# Altium PCB PCB_EPS_2.PcbDoc (part 2 of 3) (continued)
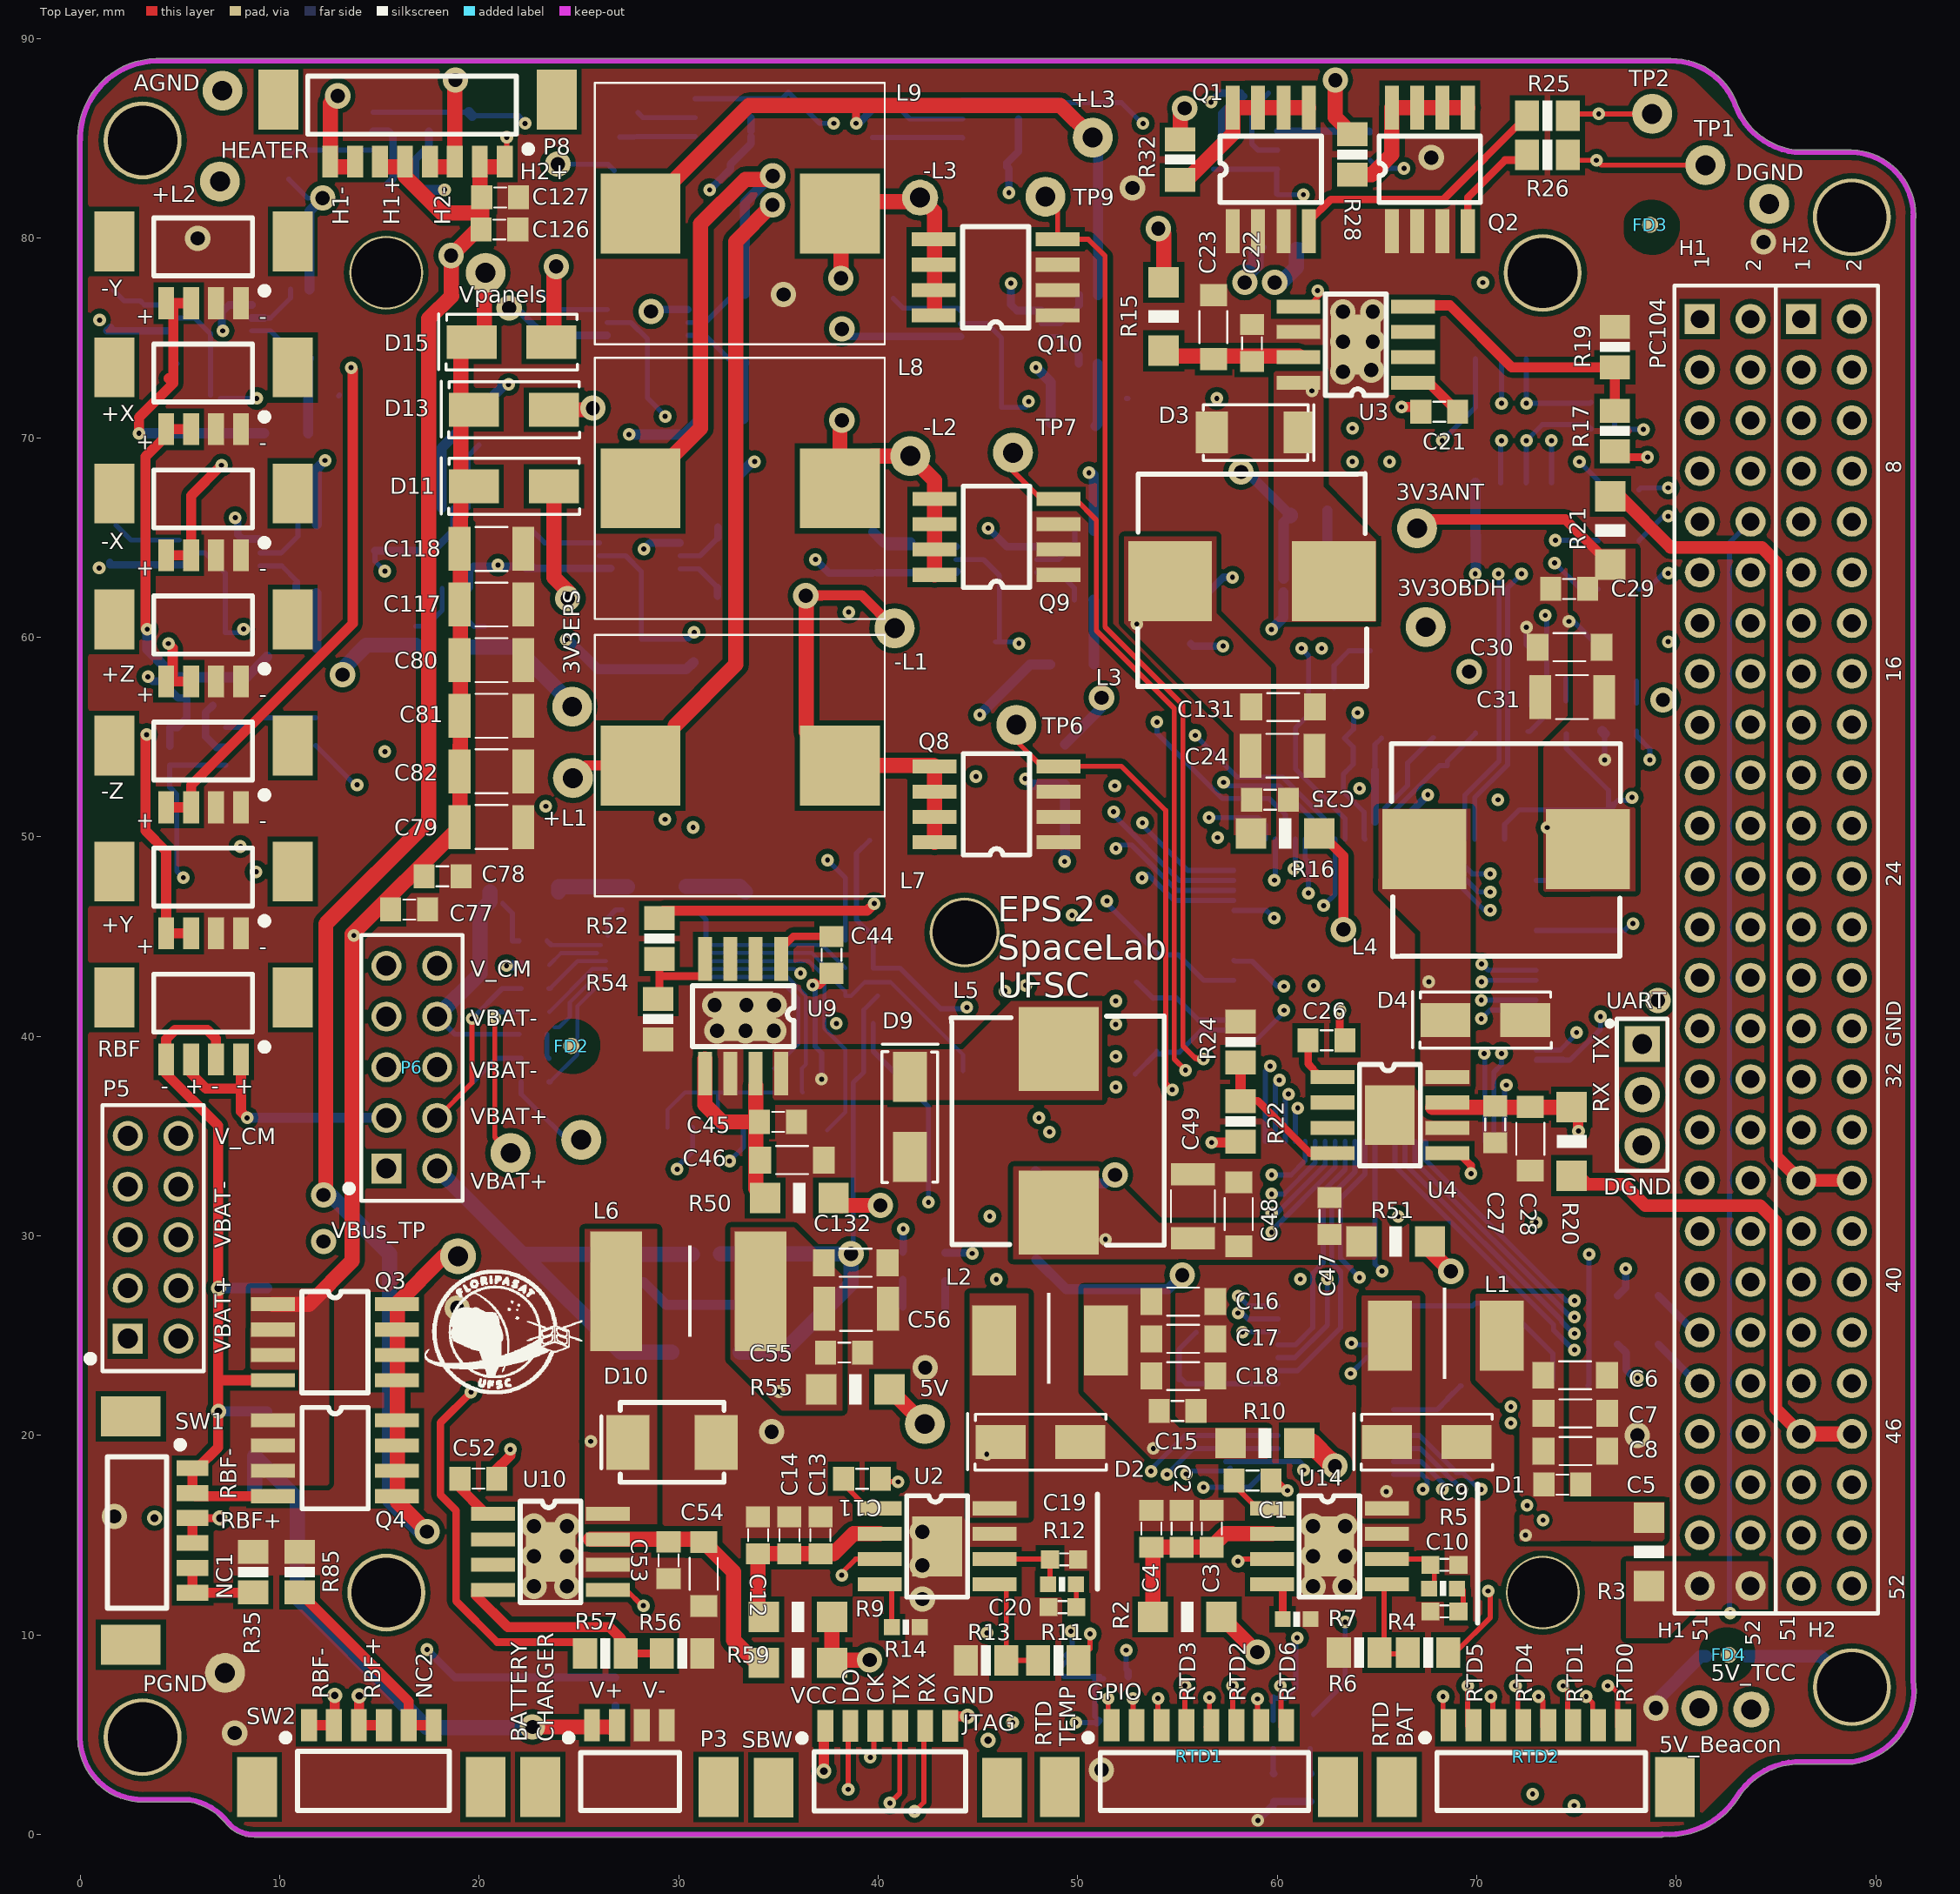
[diagram p0: Top Layer view]
## Nets (pads, with @x,y where several pads share a name; then routed paths per layer and width w, separated by ;. In a path a pad name is that pad's centre, name@x,y a point inside that pad or via, vN(x,y) a via of type N, cw(c..) or ccw(c..) an arc to the next point about the centre after c; other vN are vias at no path point) (continued)
  Bottom Layer w0.508: C107.2@39.745,65.278 40.27,64.753 C110.1@41.625,64.753 ; C62.1@62.451,64.506 C62.1@62.506,64.451 ; C64.2@62.506,66.356 C62.1@62.506,64.451 ; U13.4@62.841,62.266 62.841,64.116 C62.1@62.506,64.451
  other v1: 61.15,27.836
BAT_GPIO1: RTD1.1 U12.39 | length 59.5
  Top Layer w0.254: RTD1.1@51.516,5.485 v1(51.516,6.825)
  Signal Layer 1 w0.254: v1(48.05,35.916) 47.86,35.726 47.86,10.425 51.459,6.825 v1(51.516,6.825)
  Signal Layer 2 w0.254: v1(48.05,35.916) 48.134,35.832 51.152,35.832 55.952,40.632 69.002,40.632 v1@70.186,41.816
  Signal Layer 2 w0.381: v1@70.186,41.816 v1(70.226,41.816)
  Bottom Layer w0.254: v1(70.226,41.816) U12.39@72.971,41.816
BAT_GPIO2: RTD1.2 U12.40 | length 59
  Top Layer w0.254: RTD1.2@52.766,5.485 v1(52.766,6.825)
  Signal Layer 1 w0.254: v1(48.58,35.21) 48.292,34.922 48.292,10.603 51.425,7.47 52.121,7.47 v1(52.766,6.825)
  Signal Layer 2 w0.254: v1(48.58,35.21) 48.75,35.38 51.311,35.38 56.131,40.2 56.52,40.2 69.54,40.2 v1(70.226,40.886)
  Bottom Layer w0.254: v1(70.226,40.886) 70.656,41.316 U12.40@72.971,41.316
DGND: 3V3_MCU.2 C32.2 C33.2 C57.2 C58.2 C60.2 C65.2 C67.2 C68.2 C69.2 C70.2 C122.2 C123.2 C124.2 C125.2 C133.2 FB3.1 P11.1 pad.4@84.656,81.726 PC104.H1-29 PC104.H1-30 PC104.H1-31 PC104.H1-32 PC104.H2-29 PC104.H2-30 PC104.H2-31 PC104.H2-32 SBW.6 SYSTEM_ON.2 U5.2 U5.3 U12.26 U12.63 U12.90 U28.4 UART.3 Y1.2 Y1.4 | length 1.3
  Top Layer w0.508: SBW.6@43.6,5.45 43.6,5.92 v4(44.47,5.92)
  other v1: 72.966,30.676 66.056,30.976 51.9,37.46 51.9,38.998 51.9,40.606 51.9,41.776 61.82,42.54
En_3V3_OBDH: U3.5 U12.36 | length 52.1
  Top Layer w0.254: U3.5@61.056,76.636 61.596,76.636 v1@62.176,77.216
  Signal Layer 1 w0.254: v1(70.236,43.626) 74.786,48.177 74.786,54.734 76.635,56.583 76.635,71.457 v1(70.306,77.786)
  Signal Layer 2 w0.254: v1(62.016,77.376) 69.896,77.376 v1(70.306,77.786)
  Bottom Layer w0.254: v1@70.226,43.666 70.576,43.316 U12.36@72.971,43.316
En_5V_Radio_Beacon: PC104.H1-10 U14.3 | length 84.3
  Top Layer w0.254: v1(58.026,13.696) 58.136,13.806 U14.3@59.736,13.806
  Signal Layer 2 w0.254: v1(58.026,13.696) 58.4,13.696 62.97,9.126 80.726,9.126 v1(82.7,11.1)
  Bottom Layer w0.254: v1@82.661,11.1 82.661,64.741 PC104.H1-10@83.716,65.796
En_5V_Radio_Main: PC104.H1-12 U2.3 | length 97.9
  Top Layer w0.254: v1@38.076,13.016 38.866,13.806 U2.3@40.076,13.806
  Signal Layer 1 w0.254: v1(38.166,12.996) 39.57,14.4 39.57,29.539 38.518,30.591 v1(38.518,61.264)
  Signal Layer 2 w0.254: v1(38.518,61.264) 38.388,61.264 39.231,62.107 82.567,62.107 PC104.H1-12@83.716,63.256
EN_PAYLOAD: U10.5 U12.37 | length 81.3
  Top Layer w0.254: U10.5@26.976,12.256 27.376,12.256 28.166,11.466 v1(28.226,11.466)
  Signal Layer 1 w0.254: v1(70.236,42.736) 74.16,38.812 74.16,16.6 v1(73.318,15.758)
  Signal Layer 2 w0.254: v1(28.226,11.466) 28.226,12.416 32.006,16.196 42.429,16.196 42.705,16.472 64.468,16.472 65.182,15.758 v1(73.318,15.758)
  Bottom Layer w0.254: v1@70.236,42.816 U12.37@72.971,42.816
ESD: pad.1 R_ESD.2 | length 5.9
  Bottom Layer w0.635: R_ESD.2@83.506,8.93 87.249,8.93 pad.1@88.8,7.379
HEATER1_PWM: R25.2 TP2.1 U12.45 | length 57.2
  Top Layer w0.254: R25.2@74.416,85.896 74.756,86.236 v1(76.106,86.236) TP2.1@78.786,86.236
  Signal Layer 1 w0.254: v1(76.106,86.236) 77.499,84.843 77.499,56.226 75.65,54.377 75.65,41.538 v1(76.196,40.992)
  Bottom Layer w0.254: 74.332,38.861 73.016,38.861 U12.45@72.971,38.816 74.666,38.816 76.196,40.346 v1(76.196,40.992)
HEATER2_PWM: R26.2 TP1.1 U12.44 | length 54.6
  Top Layer w0.254: R26.2@74.552,84.186 74.832,83.906 v1(75.996,83.906) 76.236,83.666 TP1.1@81.456,83.666
  Signal Layer 1 w0.254: v1(74.996,40.196) 75.218,40.418 75.218,54.556 77.067,56.405 77.067,82.835 76.736,83.166 v1(75.996,83.906)
  Bottom Layer w0.254: U12.44@72.971,39.316 74.176,39.316 74.846,39.986 74.816,40.016 v1(74.996,40.196)
I2C_EN: U12.72 U28.1 | length 43.1
  Signal Layer 1 w0.254: v1(61.02,36.41) 66.038,41.428 66.038,61.484 68.42,63.866 68.42,69.7 v1(68.26,69.86)
  Bottom Layer w0.254: U12.72@60.896,34.741 60.896,36.286 v1(61.02,36.41) ; v1(68.26,69.86) 69.927,71.527 U28.1@69.927,73.955
I2C_READY: U12.75 U28.5 | length 50.8
  Signal Layer 1 w0.254: v1(59.64,38.51) 61.288,38.51 64.742,41.964 64.742,67.888 v1@63.76,68.87
  Signal Layer 2 w0.254: v1(63.76,68.806) 65.436,70.482 68.518,70.482 68.522,70.478 70.974,70.478 70.978,70.482 73.115,70.482 v1(73.737,69.86)
  Bottom Layer w0.254: U12.75@59.396,34.741 59.396,38.266 v1(59.64,38.51) ; U28.5@73.737,67.75 v1(73.737,69.86)
I2C_SCL: R66.2 U12.74 U28.3 | length 54
  Signal Layer 1 w0.254: v1(60.1,37.81) 61.199,37.81 65.174,41.785 65.174,68.372 63.76,69.786 v1(63.76,70.476) v1@63.69,70.476
  Signal Layer 2 w0.254: v1@63.69,70.476 v1(63.76,70.476) 64.198,70.914 71.668,70.914 v1(72.484,71.73)
  Bottom Layer w0.254: U12.74@59.896,34.741 59.896,37.606 v1(60.1,37.81) ; U28.3@72.467,73.955 72.484,73.938 v1(72.484,71.73) 75.677,71.73 R66.2@75.721,71.774
I2C_SCL_BUF: PC104.H2-51 R88.2 U28.2 | length 87.5
  Signal Layer 1 w0.254: v1(71.236,71.73) 71.236,71.516 68.852,69.132 68.852,59.692 66.469,57.31 66.469,41.431 67.268,40.632 67.268,24.191 70.849,20.61 ; v1(71.702,20.62) 70.859,20.62 70.849,20.61 ; v1(72.52,16.49) 72.52,18.899 72.54,18.919 70.849,20.61
  Signal Layer 2 w0.254: v1@71.64,20.62 v1(71.702,20.62) 71.866,20.62 72.254,21.008 75.112,21.008 76.974,22.87 v1@77.911,22.87 ; v1(72.52,16.49) 75.56,16.49 78.29,13.76 84.952,13.76 PC104.H2-51@86.256,12.456
  Bottom Layer w0.254: U28.2@71.197,73.955 71.236,73.916 v1(71.236,71.73)
  Bottom Layer w0.381: R88.2@77.06,24.568 77.48,24.148 77.48,23.301 v1@77.911,22.87
  other v1: 78.046,22.87
I2C_SDA: R65.2 U12.73 U28.6 | length 49.6
  Signal Layer 1 w0.254: v1(60.56,37.11) 61.109,37.11 65.606,41.607 v1@65.606,68.784
  Signal Layer 2 w0.254: v1(65.622,68.806) 66.036,69.22 71.844,69.22 v1(72.484,69.86)
  Bottom Layer w0.254: U12.73@60.396,34.741 60.396,36.946 v1(60.56,37.11) ; U28.6@72.467,67.75 72.484,67.767 v1(72.484,69.86) 73.284,70.66 75.511,70.66 R65.2@75.721,70.45
I2C_SDA_BUF: PC104.H2-49 R87.2 U28.7 | length 84.2
  Signal Layer 1 w0.254: v1(71.236,69.86) 69.29,67.914 69.29,59.52 66.901,57.131 66.901,41.609 67.7,40.811 67.7,24.37 70.63,21.44 v1(71.702,21.44)
  Signal Layer 2 w0.254: v1(71.702,21.44) 74.933,21.44 77.403,23.91 ; v1(77.46,28.358) 77.46,23.967 77.403,23.91 ; PC104.H2-49@86.256,14.996 84.92,16.332 84.92,23.13 84.14,23.91 77.403,23.91
  Bottom Layer w0.254: U28.7@71.197,67.75 71.197,69.821 v1(71.236,69.86)
  Bottom Layer w0.381: R87.2@77.06,27.008 77.46,27.408 v1(77.46,28.358)
MPPT_PWM_1: Q8.2 TP6.1 U12.51 | length 45
  Top Layer w0.254: TP6.1@46.836,55.616 46.836,54.876 48.176,53.536 Q8.2@49.026,53.536 52.186,53.536 54.4,51.322 54.4,37.662 54.416,37.646 v1(54.736,37.326)
  Signal Layer 2 w0.254: v1(54.736,37.326) 56.462,35.6 61.09,35.6 62.423,36.933 70.853,36.933 v1(71.476,37.556)
  Bottom Layer w0.254: U12.51@71.396,34.741 71.396,37.476 v1(71.476,37.556)
MPPT_PWM_2: Q9.2 TP7.1 U12.52 | length 57.1
  Top Layer w0.254: TP7.1@46.746,69.256 46.746,68.342 48.146,66.942 Q9.2@49.026,66.942 ; Q9.2@49.055,67.095 49.868,66.942 50.93,65.88 50.93,60.341 54.832,56.44 54.832,38.87 v1(55.396,38.306)
  Signal Layer 2 w0.254: v1(55.396,38.306) 55.396,38.836 56.328,39.768 60.072,39.768 60.073,39.767 60.589,39.767 60.59,39.768 70.624,39.768 71.236,39.156 v1(71.236,39.146)
  Bottom Layer w0.254: U12.52@70.896,34.741 70.854,34.783 70.854,38.215 71.236,38.597 v1(71.236,39.146)
MPPT_PWM_3: Q10.2 TP9.1 U12.53 | length 66.6
  Top Layer w0.254: TP9.1@48.376,82.086 48.986,81.476 Q10.2@48.986,79.946 50.526,79.946 51.362,79.11 51.362,60.52 55.264,56.618 55.264,39.518 55.876,38.906 55.916,38.946 56.002,38.86 v1(56.3,38.86)
  Signal Layer 2 w0.254: v1(56.3,38.86) 56.572,39.132 v1@70.18,39.132 ; v1@70.366,38.946 v1@70.18,39.132 ; v1(70.366,39.146) 70.353,39.132 v1@70.18,39.132
  Bottom Layer w0.254: v1@70.366,39.186 70.396,39.156 U12.53@70.396,34.741
NC_KILL_SWITCH1: R35.1 SW1.5 SW1.6 | length 4.3
  Top Layer w0.508: SW1.5@5.63,13.36 SW1.6@5.63,12.11 8.642,12.11 R35.1@8.67,12.138
NC_KILL_SWITCH2: R85.1 SW2.5 SW2.6 | length 10.2
  Top Layer w0.508: R85.1@10.99,12.138 16.466,6.662 SW2.5@16.466,5.475 SW2.6@17.716,5.475
Net3V3_ANT_1: 3V3_ANT.1 R23.2 | length 1.3
  Bottom Layer w0.254: R23.2@76.286,56.695 76.286,57.764 3V3_ANT.1@76.449,57.928
Net3V3_EPS_1: 3V3_EPS.1 R53.1 | length 1.4
  Bottom Layer w0.381: 3V3_EPS.1@43.354,26.4 R53.1@43.354,27.753
Net3V3_MCU_1: 3V3_MCU.1 R61.1 | length 1.1
  Bottom Layer w0.254: R61.1@74.463,56.825 3V3_MCU.1@74.463,57.928
Net3V3_OBDH_1: 3V3_OBDH.1 R18.2 | length 1.4
  Bottom Layer w0.254: R18.2@72.716,56.575 3V3_OBDH.1@72.716,57.998
Net3V3ANT_1: 3V3ANT.1 C29.1 C30.1 C31.1 L4.2 R21.2 R22.2 R23.1 | length 44.7
  Top Layer w0.508: v1(56.704,34.68) 57.934,34.68 R22.2@58.13,34.876 ; 3V3ANT.1@67.536,65.736 67.71,65.91 74.428,65.91 R21.2@76.119,64.219
  Signal Layer 1 w0.508: v1(56.704,34.68) 57.236,35.212 57.236,49.736 v1(57.006,49.966)
  Signal Layer 2 w0.508: v1@56.976,49.986 73.046,49.986 v1(73.526,50.466)
  Bottom Layer w0.254: v1(76.406,53.86) R23.1@76.406,55.178
  Bottom Layer w0.508: R23.1@76.286,55.298 R23.1@76.406,55.178
Net3V3OBDH_1: 3V3OBDH.1 C24.1 C25.1 C131.1 L3.2 R16.2 R17.2 R18.1 | length 48.2
  Top Layer w0.381: L3.2@53.31,64.132 L3.2@54.626,62.816 ; R17.2@76.916,69.326 77.212,69.03 v1(78.56,69.03)
  Signal Layer 1 w0.381: v1(78.56,69.03) 77.994,68.464 77.994,61.416 79.49,59.92 v1@79.49,59.69
  Signal Layer 2 w0.381: v1(52.956,60.666) 53.006,60.666 53.951,61.612 73.426,61.612 73.436,61.612 ; v1(73.426,61.106) 73.426,61.602 73.436,61.612 ; v1(79.593,59.78) 77.762,61.612 73.436,61.612
  Bottom Layer w0.254: R18.1@72.566,55.286 72.659,55.286 73.497,56.125 v1@73.497,60.925
Net5_V_1: 5_V.1 R58.2 | length 1.4
  Bottom Layer w0.381: 5_V.1@41.226,26.452 R58.2@41.226,27.805
Net5V_BEACON_LED_1: 5V_BEACON_LED.1 R1.2 | length 1.3
  Bottom Layer w0.254: 5V_BEACON_LED.1@61.648,3.071 R1.2@61.648,4.309
  Bottom Layer w0.381: 5V_BEACON_LED.1@61.648,3.071 5V_BEACON_LED.1@61.671,3.049
Net5V_MAIN_RADIO_LED_1: 5V_MAIN_RADIO_LED.1 R8.2 | length 1.3
  Bottom Layer w0.254: 5V_MAIN_RADIO_LED.1@59.796,3.071 R8.2@59.796,4.309 R8.2@59.818,4.287
  Bottom Layer w0.381: 5V_MAIN_RADIO_LED.1@59.796,3.071 5V_MAIN_RADIO_LED.1@59.818,3.049
Net+L1_1: +L1.1 +X_CSR.2 -Y_CSR.2 L7.1 R69.2 | length 80.5
  Top Layer w0.508: +L1.1@24.696,52.946 25.326,53.576 L7.1@28.076,53.576 29.816,55.316 29.816,55.596
  Top Layer w0.762: 29.816,55.596 32.856,58.636 32.856,79.836 v2(34.696,81.676)
  Signal Layer 1 w0.508: v2(12.146,82.016) 12.146,68.986 v1(12.266,68.866)
  Signal Layer 2 w0.508: v2(12.146,82.016) 12.485,81.676 v2(34.696,81.676)
  Bottom Layer w0.254: R69.2@10.446,82.958 11.388,82.016 v2(12.146,82.016)
  Bottom Layer w0.508: -Y_CSR.2@11.486,77.441 11.486,81.356 v2(12.146,82.016) ; +X_CSR.2@11.858,65.661 11.858,68.458 v1@12.156,68.756
Net+L2_1: +L2.1 +Z_CSR.2 -X_CSR.2 L8.1 R74.2 | length 75.5
  Top Layer w0.762: L8.1@28.076,67.466 31.096,70.486 31.096,80.716 33.336,82.956 34.536,82.956 v2(34.706,83.126)
  Signal Layer 1 w0.508: v1(33.796,68.806) 33.629,68.973 33.629,82.118 34.637,83.126 v2(34.706,83.126)
  Signal Layer 2 w0.381: +L2.1@6.999,82.85 7.865,83.716 v2(23.936,83.716) ; v2@24.152,83.716 24.332,83.536 33.598,83.536 v2@34.132,83.002
  Signal Layer 2 w0.508: v2(23.936,83.716) v2@24.152,83.716
  Bottom Layer w0.254: v2(23.936,83.716) 26.447,83.716 R74.2@26.766,83.398
  Bottom Layer w0.508: +Z_CSR.2@32.916,65.521 32.916,68.036 v1@33.726,68.846 ; -X_CSR.2@33.306,77.211 33.306,81.795 v2@34.706,83.195 ; v2(34.706,83.126) v2@34.706,83.195 ; v2@34.706,83.516 v2@34.706,83.195 ; v2@34.797,83.286 v2@34.706,83.195
Net+L3_1: +L3.1 +Y_CSR.2 -Z_CSR.2 L9.1 R81.2 | length 55.8
  Top Layer w0.381: v1(38.886,85.766) 38.886,86.656 38.896,86.666
  Top Layer w0.762: L9.1@28.076,81.236 33.506,86.666 38.896,86.666 49.126,86.666 +L3.1@50.746,85.046 ; +L3.1@50.796,84.736 +L3.1@51.196,85.136
  Signal Layer 1 w0.508: v1(50.556,68.246) 50.556,84.986 +L3.1@50.566,84.996
  Bottom Layer w0.381: v1@39.02,85.766 R81.2@39.707,86.453
  Bottom Layer w0.508: v1@50.666,68.266 50.797,68.135 +Y_CSR.2@50.797,65.328 ; +L3.1@50.746,85.046 51.017,84.775 -Z_CSR.2@51.017,77.158
Net+X_CSR_1: +X_CSR.1 C74.2 D18.1 | length 2.7
  Bottom Layer w0.508: D18.1@11.833,59.479 +X_CSR.1@11.833,62.211
Net+Y_CSR_1: +Y_CSR.1 C97.2 D22.1 | length 3.2
  Bottom Layer w0.508: +Y_CSR.1@50.772,61.878 50.806,61.844 D22.1@50.806,58.646
Net+Z_CSR_1: +Z_CSR.1 C88.2 D20.1 | length 3
  Bottom Layer w0.508: +Z_CSR.1@32.891,62.071 32.936,62.026 D20.1@32.936,59.056
Net-L1_1: -L1.1 D11.2 L7.2 Q8.3 | length 41.9
  Top Layer w0.508: v2(36.366,62.086) 36.385,62.105 37.165,62.105 ; v2@36.396,62.086 37.145,62.086 37.165,62.105 ; -L1.1@40.816,60.456 39.167,62.105 37.165,62.105 ; Q8.3@42.781,53.576 Q8.3@42.821,53.536
  Top Layer w0.762: D11.2@24.036,67.266 D11.2@23.736,67.566 23.736,62.996 v2@24.526,62.206 ; v2@36.396,62.086 36.396,55.256 L7.2@38.076,53.576 Q8.3@42.781,53.576 ; -L1.1@40.816,60.456 -L1.1@40.816,60.515 ; Q8.3@42.821,49.726 Q8.3@42.821,50.996 Q8.3@42.821,52.266 Q8.3@42.821,53.536
  Signal Layer 2 w0.762: v2(24.436,61.946) 36.226,61.946 v2(36.366,62.086)
Net-L2_1: -L2.1 D13.2 L8.2 Q9.3 | length 29.7
  Top Layer w0.762: D13.2@24.126,71.796 D13.2@23.736,71.406 25.316,71.406 v2@25.396,71.486 ; v2@38.076,71.076 L8.2@38.076,67.466 39.696,69.086 -L2.1@41.606,69.086 42.821,67.871 Q9.3@42.821,66.942 Q9.3@42.821,65.672 Q9.3@42.821,64.402 Q9.3@42.821,63.132
  Signal Layer 2 w0.762: v2(25.696,71.486) 26.53,71.486 27.12,72.076 36.976,72.076 v2(38.176,70.876)
Net-L3_1: -L3.1 D15.2 L9.2 Q10.3 | length 30.9
  Top Layer w0.254: L9.2@38.076,81.236 L9.2@38.686,81.846
  Top Layer w0.762: D15.2@23.736,75.246 23.736,78.156 v2@23.886,78.306 ; L9.2@38.076,81.236 38.296,81.016 38.126,80.846 v2(38.126,77.996) ; L9.2@38.686,81.846 -L3.1@41.886,81.846 ; -L3.1@42.096,82.036 42.821,81.311 42.821,76.538
  Signal Layer 2 w0.762: v2(23.856,78.586) 37.536,78.586 v2(38.126,77.996)
Net-X_CSR_1: -X_CSR.1 C76.2 D19.1 | length 2.8
  Bottom Layer w0.508: D19.1@33.236,70.946 33.236,73.716 -X_CSR.1@33.281,73.761
Net-Y_CSR_1: -Y_CSR.1 C72.2 D17.1 | length 3.8
  Bottom Layer w0.508: D17.1@11.426,70.226 11.426,73.956 -Y_CSR.1@11.461,73.991
Net-Z_CSR_1: -Z_CSR.1 C93.2 D21.1 | length 3.2
  Bottom Layer w0.508: D21.1@50.886,70.586 50.992,70.692 -Z_CSR.1@50.992,73.708
NetC1_1: C1.1 U14.1 | length 2.6
  Top Layer w0.254: C1.1@57.991,17.836 57.991,17.351 58.996,16.346 U14.1@59.736,16.346
NetC1_2: C1.2 D1.1 L1.1 U14.8 | length 5.9
  Top Layer w0.254: C1.2@59.906,17.836 v1@60.486,17.256
  Top Layer w0.508: C1.2@59.841,17.836 C1.2@59.906,17.836
  Signal Layer 2 w0.254: v1(60.506,17.236) v1@65.416,17.236
  Signal Layer 2 w0.508: v1@65.416,17.236 v1(65.466,17.186)
NetC2_1: C2.1 C3.1 C4.1 R2.1 U14.2 | length 9.9
  Top Layer w0.762: R2.1@53.761,10.906 53.761,14.326 C4.1@53.686,14.401 C2.1@55.201,14.401 C3.1@56.716,14.401 57.391,15.076 U14.2@59.736,15.076
NetC5_1: C5.1 C6.1 C7.1 C8.1 L1.2 R1.1 R3.2 R4.2 | length 20.9
  Top Layer w0.254: R4.2@69.002,8.726 69.002,9.202 70.676,10.876 70.676,12.096 v1(70.566,12.206)
  Signal Layer 1 w0.254: v1(70.566,12.206) 70.566,13.146 72.42,15 v1(72.439,15)
  Signal Layer 2 w0.254: v1(63.396,10.65) 69.01,10.65 v1(70.566,12.206)
  Bottom Layer w0.254: R1.1@61.806,6.024 63.396,7.614 v1(63.396,10.65)
NetC9_1: C9.1 R5.2 U14.6 | length 3.7
  Top Layer w0.254: U14.6@65.486,13.806 C9.1@67.953,13.806 ; R5.2@67.866,12.314 67.866,13.424 C9.1@67.963,13.521
NetC10_1: C10.1 R5.1 | length 1.1
  Top Layer w0.254: R5.1@69.263,12.314 69.316,12.261 C10.1@69.316,11.206
NetC11_1: C11.1 U2.1 | length 2.6
  Top Layer w0.254: C11.1@38.261,17.826 38.261,17.551 39.466,16.346 U2.1@40.076,16.346
NetC11_2: C11.2 D2.1 L2.1 U2.8 | length 5.9
  Top Layer w0.254: C11.2@40.111,17.826 40.306,17.826 40.446,17.686 v1@40.986,17.686
  Signal Layer 2 w0.254: v1(40.996,17.676) 42.376,19.056 v1(45.436,19.056)
NetC12_1: C12.1 C13.1 C14.1 R9.1 U2.2 | length 9.8
  Top Layer w0.762: R9.1@34.251,10.906 33.976,11.182 C12.1@33.976,14.071 C14.1@35.546,14.071 C13.1@37.096,14.071 37.761,14.071 38.766,15.076 U2.2@40.076,15.076
NetC15_1: C15.1 C16.1 C17.1 C18.1 L2.2 R8.1 R10.2 R11.2 | length 27.9
  Top Layer w0.254: R11.2@50.042,8.726 50.616,9.301 v1(50.616,10.056)
  Signal Layer 1 w0.254: v1(50.616,10.056) 50.826,10.056 52.906,12.136 52.906,18.466 v1(53.786,19.346)
  Signal Layer 2 w0.254: v1(50.616,10.056) 50.64,10.08 60.772,10.08 v1(60.996,9.856)
  Bottom Layer w0.254: R8.1@59.796,5.706 59.796,6.906 59.815,6.906 59.888,6.833 60.404,6.833 60.926,7.355 60.926,9.816 60.966,9.856 v1(60.996,9.856)
NetC19_1: C19.1 R12.2 U2.6 | length 4.1
  Top Layer w0.254: U2.6@45.826,13.806 48.586,13.806 C19.1@48.606,13.786 48.606,12.638 R12.2@48.509,12.541
NetC20_1: C20.1 R12.1 | length 1.2
  Top Layer w0.254: R12.1@49.906,12.541 49.926,12.521 C20.1@49.926,11.396
NetC21_1: C21.1 U3.1 | length 2.9
  Top Layer w0.508: U3.1@66.806,72.826 67.521,72.826 C21.1@69.041,71.306
NetC21_2: C21.2 D3.1 L3.1 U3.8 | length 5.9
  Top Layer w0.508: v1(66.226,71.546) 66.951,71.546 C21.2@67.191,71.306
  Signal Layer 2 w0.508: v1(61.736,72.356) 62.237,71.855 65.917,71.855 v1(66.226,71.546) ; v1@66.261,71.581 v1@66.266,71.576
NetC22_1: C22.1 C23.1 R15.1 U3.7 | length 6.9
  Top Layer w0.762: R15.1@54.306,74.362 54.571,74.096 U3.7@61.056,74.096
NetC26_1: C26.1 U4.1 | length 2.7
  Top Layer w0.254: 61.786,38.376 62.351,37.956 U4.1@62.767,37.956
  Top Layer w0.381: C26.1@61.541,39.806 61.541,38.621 61.786,38.376
NetC26_2: C26.2 D4.1 L4.1 U4.8 | length 6.8
  Top Layer w0.381: v1(63.13,41.31) 63.13,40.067 C26.2@63.391,39.806
  Signal Layer 2 w0.381: v1@63.21,41.2 63.13,41.28 v1(63.13,41.31) 63.424,41.31 64.85,42.736 v1(67.59,42.736)
NetC27_1: C27.1 C28.1 R20.1 U4.5 U4.7 | length 16
  Top Layer w0.381: U4.5@69.016,34.226 69.706,33.536 v1(69.706,33.126)
  Top Layer w0.508: v1@75.076,35.436 R20.1@75.076,36.451
  Top Layer w0.762: U4.7@67.776,36.451 R20.1@74.756,36.451 R20.1@75.076,36.451
  Signal Layer 2 w0.381: v1(69.706,33.126) 71.836,35.256 v1(75.096,35.256)
NetC36_1: C36.1 U5.9 | length 3.9
  Bottom Layer w0.254: U5.9@65.836,21.296 68.016,21.296 68.528,21.808 68.528,21.838 69.166,22.476 C36.1@69.206,22.476
NetC37_2: C37.2 C38.1 | length 7.4
  Bottom Layer w0.508: C38.1@28.226,27.683 29.363,26.546 33.656,26.546 C37.2@34.746,27.636
NetC39_1: C39.1 U7.14 | length 9
  Bottom Layer w0.2: U7.14@31.246,42.576 35.307,42.576 35.988,41.895 35.988,39.618 C39.1@34.766,38.396
NetC40_1: C40.1 U7.6 | length 2.8
  Bottom Layer w0.2: C40.1@23.606,44.576 U7.6@26.096,44.576
  Bottom Layer w0.254: C40.1@23.396,44.786 C40.1@23.606,44.576
NetC41_1: C41.1 R33.2 U7.2 | length 5.3
  Bottom Layer w0.2: C41.1@23.756,40.456 24.006,40.456 24.536,40.986 24.536,41.709 25.803,42.976 U7.2@26.346,42.976
  Bottom Layer w0.254: C41.1@23.396,40.113 23.396,38.992 R33.2@23.493,38.894
NetC44_1: C44.1 U9.1 | length 3.3
  Top Layer w0.381: U9.1@35.126,43.886 35.126,44.396 35.741,45.011 C44.1@37.656,45.011
NetC44_2: C44.2 D9.1 L5.1 U9.8 | length 6.6
  Top Layer w0.381: v1@36.621,42.696 v1@36.695,42.622 ; v1(36.706,42.566) 36.706,42.611 v1@36.695,42.622 ; C44.2@37.656,43.161 37.061,42.566 37.01,42.616 36.96,42.566 36.799,42.726 v1@36.695,42.622
  Bottom Layer w0.254: v1@36.565,42.696 v1@36.695,42.566 ; v1(36.706,42.566) v1@36.695,42.566 ; v1(37.156,37.856) 37.156,39.174 36.834,39.496 36.834,42.427 v1@36.695,42.566
NetC45_2: C45.2 C46.1 R50.1 U9.5 U9.7 | length 11.2
  Top Layer w0.762: U9.5@31.316,38.866 31.316,36.576 32.176,35.716 C45.2@33.856,35.716 ; U9.7@33.856,37.546 C45.2@33.856,35.716 ; C45.2@34.047,35.716 C45.2@33.856,35.716 ; R50.1@34.331,31.896 33.856,32.372 C45.2@33.856,35.716
NetC47_2: C47.2 C48.1 C49.1 L5.2 R51.2 R52.2 R53.2 | length 38.6
  Top Layer w0.508: R52.2@29.232,46.306 39.446,46.306 v1(39.796,46.656)
  Top Layer w0.762: L5.2@49.046,31.146 L5.2@49.046,31.166
  Signal Layer 1 w0.508: v1@39.776,46.606 39.776,44.564 44.71,39.63 v1(44.71,29.12)
  Signal Layer 2 w0.508: v1(44.71,29.12) 46.64,29.12 47.346,29.826 v1(51.386,29.826)
  Bottom Layer w0.381: R53.2@43.354,29.15 44.68,29.15 v1(44.71,29.12)
NetC52_1: C52.1 U10.1 | length 2.7
  Top Layer w0.508: C52.1@18.901,17.826 18.901,17.511 20.346,16.066 U10.1@20.696,16.066
NetC52_2: C52.2 D10.1 L6.1 U10.8 | length 6
  Top Layer w0.508: C52.2@20.751,17.826 20.751,18.191 21.556,18.996 v1(21.556,19.306)
  Signal Layer 2 w0.508: v1(21.556,19.306) 21.956,19.706 v1(25.586,19.706)
NetC53_1: C53.1 C54.1 R56.1 U10.7 | length 12.8
  Top Layer w0.254: C54.1@30.911,14.796 C54.1@31.056,14.651
  Top Layer w0.762: U10.7@25.576,14.796 C54.1@30.911,14.796 ; C54.1@31.246,14.656 32.736,13.166 32.736,9.746 R56.1@33.946,8.536
NetC55_1: C55.1 C56.1 C132.1 L6.2 R55.2 R57.2 R58.1 | length 46.8
  Top Layer w0.381: v1(19.586,22.173) 18.05,20.637 18.05,17.02 18.84,16.23 18.84,11.7 20.897,9.643 24.733,9.643 R57.2@25.3,9.076
  Signal Layer 2 w0.381: v1(19.586,22.173) v1@35.02,22.173 ; v1(35.02,22.2) 35.87,22.2 41.25,27.58 v1(41.25,30.35)
  Bottom Layer w0.381: R58.1@41.226,29.202 41.25,29.226 v1(41.25,30.35)
NetC65_1: C65.1 U12.27 | length 2.4
  Bottom Layer w0.254: U12.27@72.971,47.816 75.146,47.816 C65.1@75.306,47.656
NetC66_1: C66.1 U13.5 | length 3.2
  Bottom Layer w0.254: U13.5@62.841,57.466 62.841,58.581 63.586,59.326 C66.1@64.646,59.326
NetC83_2: C83.2 R69.1 R71.2 U17.1 | length 4.6
  Bottom Layer w0.254: R69.1@10.562,84.236 10.451,84.231 10.366,84.228 10.554,84.416 U17.1@14.676,84.416
NetC86_2: C86.2 R70.1 R73.2 U19.1 | length 4.7
  Bottom Layer w0.254: U19.1@7.285,55.492 8.452,55.492 8.928,55.968 R73.2@10.48,55.968 R70.1@11.805,55.968
NetC90_2: C90.2 R74.1 R76.2 U21.1 | length 3.8
  Bottom Layer w0.254: R74.1@27.036,85.076 27.761,85.076 27.882,85.097 U21.1@30.816,85.097
NetC98_2: C98.2 R81.1 R82.2 U24.1 | length 4.5
  Bottom Layer w0.254: R81.1@39.707,85.056 R82.2@41.102,85.056 44.201,85.056 U24.1@44.227,85.03
NetC120_2: C120.2 R45.1 R86.2 U26.1 | length 4.7
  Bottom Layer w0.254: R45.1@64.601,85.356 R45.1@64.666,85.291
  Bottom Layer w0.381: U26.1@60.016,85.366 64.591,85.366 R45.1@64.601,85.356
NetC128_2: C128.2 R51.1 Rsense3.1 | length 93.6
  Top Layer w0.254: R51.1@67.65,29.277 R51.1@67.65,29.726
  Top Layer w0.762: R51.1@67.65,29.277 v2(68.697,28.23)
  Signal Layer 1 w0.762: v2(68.697,28.23) 68.697,28.451 68.486,28.662 68.486,57.156 v2(69.61,58.28)
  Signal Layer 2 w0.762: v2@13.133,58.34 13.29,58.496 69.394,58.496 v2(69.61,58.28)
  Bottom Layer w0.762: v2(13.146,58.126) 13.146,58.406 14.351,59.611 Rsense3.1@16.811,59.611
NetCC_1: CC.1 R39.2 U6.4 | length 14.9
  Signal Layer 2 w0.254: CC.1@25.106,34.816 CC.1@25.294,34.628 ; CC.1@25.244,33.968 25.792,34.516 31.78,34.516 v1(32.543,33.753)
  Bottom Layer w0.254: R39.2@22.096,37.726 22.096,37.116 CC.1@25.056,34.156 ; v1(32.543,33.753) 33.236,34.446 U6.4@33.236,35.426
NetD6_1: D6.1 R42.1 U7.11 | length 14.9
  Bottom Layer w0.2: U7.11@31.246,43.776 36.526,43.776 37.301,43.001 37.301,40.893 37.301,40.4 38.346,39.354 38.346,38.368 38.344,38.365 38.344,36.204 D6.1@37.426,35.286
NetD8_1: D8.1 R37.1 U7.10 | length 16.8
  Bottom Layer w0.2: U7.10@31.246,44.176 31.249,44.179 36.657,44.179 37.831,43.006 37.831,42.748 37.844,42.748 38.346,42.246 38.346,42.036 38.626,42.036 39.304,42.714 40.618,42.714 44.246,39.086 D8.1@44.246,38.266
NetDC_1: DC.1 R40.2 U6.2 | length 20.1
  Top Layer w0.254: v1(20.776,40.936) 20.776,34.946 DC.1@21.566,34.156
  Signal Layer 2 w0.254: DC.1@21.566,34.156 21.566,33.946 22.666,32.846 29.416,32.846 v1(29.916,33.346)
  Bottom Layer w0.254: v1@20.786,40.996 21.021,41.231 R40.2@22.096,41.231 ; v1(29.916,33.346) 29.916,33.456 30.696,34.236 U6.2@30.696,35.426
NetQ1_2: Q1.2 R25.1 | length 13.6
  Top Layer w0.381: Q1.2@61.576,80.346 61.576,80.846 62.676,81.946 68.32,81.946 R25.1@72.52,86.146
NetQ1_3: Q1.3 R32.2 | length 8.4
  Top Layer w0.762: R32.2@55.456,82.936 57.766,85.246 Q1.3@57.766,86.551 Q1.3@59.036,86.551 Q1.3@60.306,86.551 Q1.3@61.576,86.551
NetQ2_2: Q2.2 R26.1 | length 5.6
  Top Layer w0.381: Q2.2@69.546,80.346 69.546,82.047 71.416,83.917 72.251,83.917 R26.1@72.52,84.186
NetQ2_3: Q2.3 R28.2 | length 8.6
  Top Layer w0.762: R28.2@63.756,83.18 64.72,83.18 65.736,84.196 Q2.3@65.736,86.551 Q2.3@67.006,86.551 Q2.3@68.276,86.551 Q2.3@69.546,86.551
NetR4_1: R4.1 R6.2 U14.5 | length 5.3
  Top Layer w0.254: U14.5@65.486,12.536 65.352,12.402 65.352,9.05 66.216,9.05 66.54,8.726 R4.1@66.97,8.726
NetR7_2: R7.2 U14.4 | length 1.6
  Top Layer w0.381: R7.2@60.267,10.756 R7.2@60.267,10.796 U14.4@60.267,12.406
NetR11_1: R11.1 R13.2 U2.5 | length 5.3
  Top Layer w0.254: U2.5@46.412,12.446 R13.2@46.412,8.726 R11.1@48.01,8.726
NetR14_2: R14.2 U2.4 | length 2.2
  Top Layer w0.254: R14.2@40.677,10.396 U2.4@40.677,12.566
NetR17_1: R17.1 R19.2 U3.4 | length 13.6
  Top Layer w0.508: U3.4@66.806,76.636 68.646,76.636 71.746,73.536 R19.2@76.916,73.536 R17.1@76.916,71.358
NetR22_1: R22.1 R24.2 U4.4 | length 7.2
  Top Layer w0.381: R22.1@58.576,36.772 59.014,36.772 61.64,34.146 U4.4@62.767,34.146
  Top Layer w0.508: R22.1@58.153,36.752 R24.2@58.153,38.7
NetR31_2: R31.2 VBus.1 | length 1.3
  Bottom Layer w0.381: VBus.1@26.824,5.184 R31.2@26.824,6.466
NetR34_1: R34.1 U7.4 | length 3.4
  Bottom Layer w0.2: R34.1@23.549,42.399 24.926,43.776 U7.4@26.346,43.776
  Bottom Layer w0.254: R34.1@23.493,42.399 R34.1@23.549,42.399
NetR38_2: R38.2 U6.1 U6.3 | length 8.4
  Bottom Layer w0.2: U6.1@29.426,35.426 29.426,36.326 30.296,37.196 32.026,37.196 ; U6.3@31.966,35.426 31.966,37.136 32.026,37.196 ; R38.2@34.807,37.196 32.026,37.196
NetR39_1: R39.1 U7.1 | length 5.9
  Bottom Layer w0.2: R39.1@23.556,37.726 24.914,39.084 24.914,41.514 U7.1@25.951,42.551
  Bottom Layer w0.254: R39.1@23.493,37.726 R39.1@23.556,37.726
NetR40_1: R40.1 U7.3 | length 3.7
  Bottom Layer w0.2: R40.1@23.493,41.231 23.518,41.231 25.663,43.376 U7.3@26.346,43.376
NetR43_2: R43.2 U7.5 | length 2.7
  Bottom Layer w0.2: R43.2@23.493,43.568 24.102,44.176 U7.5@25.906,44.176
NetR44_1: R44.1 U7.9 | length 7.6
  Bottom Layer w0.2: U7.9@31.246,44.576 37.196,44.576 R44.1@38.346,43.426
NetR46_1: R46.1 RSense1.4 | length 3.1
  Bottom Layer w0.762: RSense1.4@30.376,47.516 33.051,47.516 R46.1@33.331,47.236
NetR47_2: R47.2 RSense1.3 | length 3.7
  Bottom Layer w0.762: R47.2@23.97,47.236 23.97,47.496 RSense1.3@27.426,47.496
NetR52_1: R52.1 R54.2 U9.4 | length 4.3
  Top Layer w0.381: R54.2@28.966,41.882 29.026,41.942 29.026,43.022 ; R52.1@29.026,43.89 29.026,43.022 ; U9.4@31.256,43.022 29.026,43.022
NetR57_1: R57.1 R59.2 U10.4 | length 11.9
  Top Layer w0.381: R57.1@27.332,9.076 R59.2@29.15,9.076
  Top Layer w0.508: U10.4@20.696,12.256 19.85,12.256 19.85,11.97 21.43,10.39 26.535,10.39 27.1,9.825 27.1,9.308 R57.1@27.332,9.076
NetR60_1: R60.1 SYSTEM_ON.1 | length 1.1
  Bottom Layer w0.254: R60.1@78.006,56.703 SYSTEM_ON.1@78.006,57.806
NetRsense3_3: Rsense3.3 U27.8 | length 2.7
  Bottom Layer w0.254: Rsense3.3@16.811,60.561 17.351,60.561 18.141,61.351 U27.8@18.141,62.441
NetRsense3_4: Rsense3.4 U27.7 | length 2.8
  Bottom Layer w0.254: U27.7@18.791,62.441 18.791,61.481 19.736,60.536 Rsense3.4@20.261,60.536
PANEL+X: +X.3 +X.4 D18.2 | length 19.7
  Top Layer w0.508: v1@3.276,60.456 3.276,69.056 4.306,70.086 +X.4@4.306,70.429 +X.3@5.556,70.429
  Bottom Layer w0.508: v1(3.356,60.406) 3.356,59.396 4.752,58 8.34,58 D18.2@9.366,59.026
PANEL+Y: +Y.3 +Y.4 D22.2 | length 58.7
  Top Layer w0.508: v1@3.266,55.166 3.266,50.316 4.306,49.276 +Y.4@4.306,45.163 +Y.3@5.556,45.163
  Signal Layer 2 w0.508: v1(3.326,55.126) 24.031,55.126 24.311,54.846 43.816,54.846 v1(45.086,56.116)
  Bottom Layer w0.508: v1(45.086,56.116) 47.616,58.646 D22.2@48.606,58.646